# Altium PCB PIXRACER-R12.PcbDoc (part 1 of 2)
Units mm, origin at the board's own origin, x right, y up, seen from the top; angles counter-clockwise.
Board outline 36 x 36 mm, 4 copper layers (TOP, 2, 3, BOT), stack 1.492 mm thick; 137 components, 127 nets, 565 pads, 429 vias.
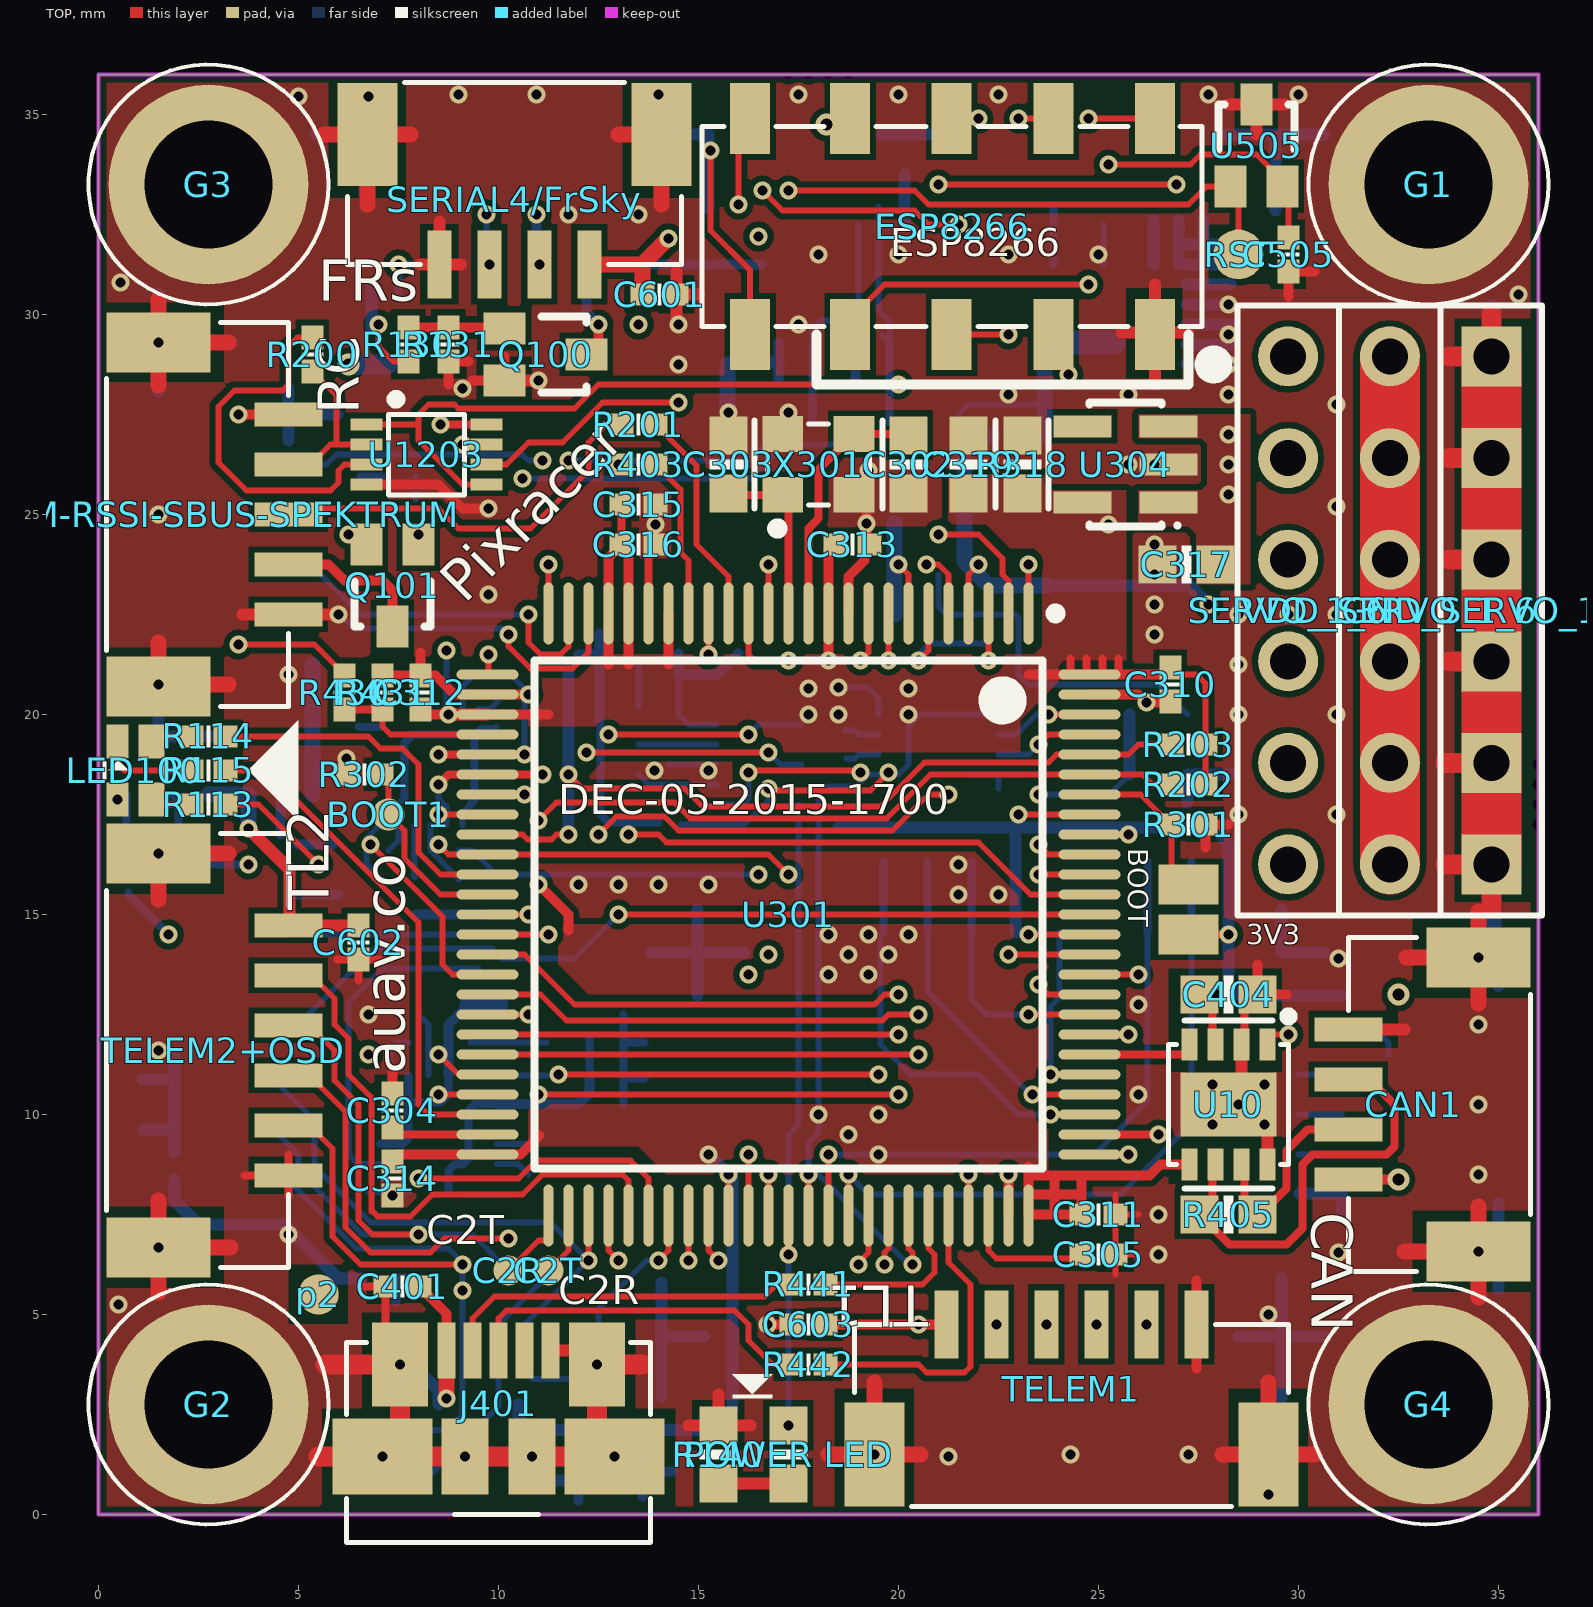
[diagram p0: TOP view]
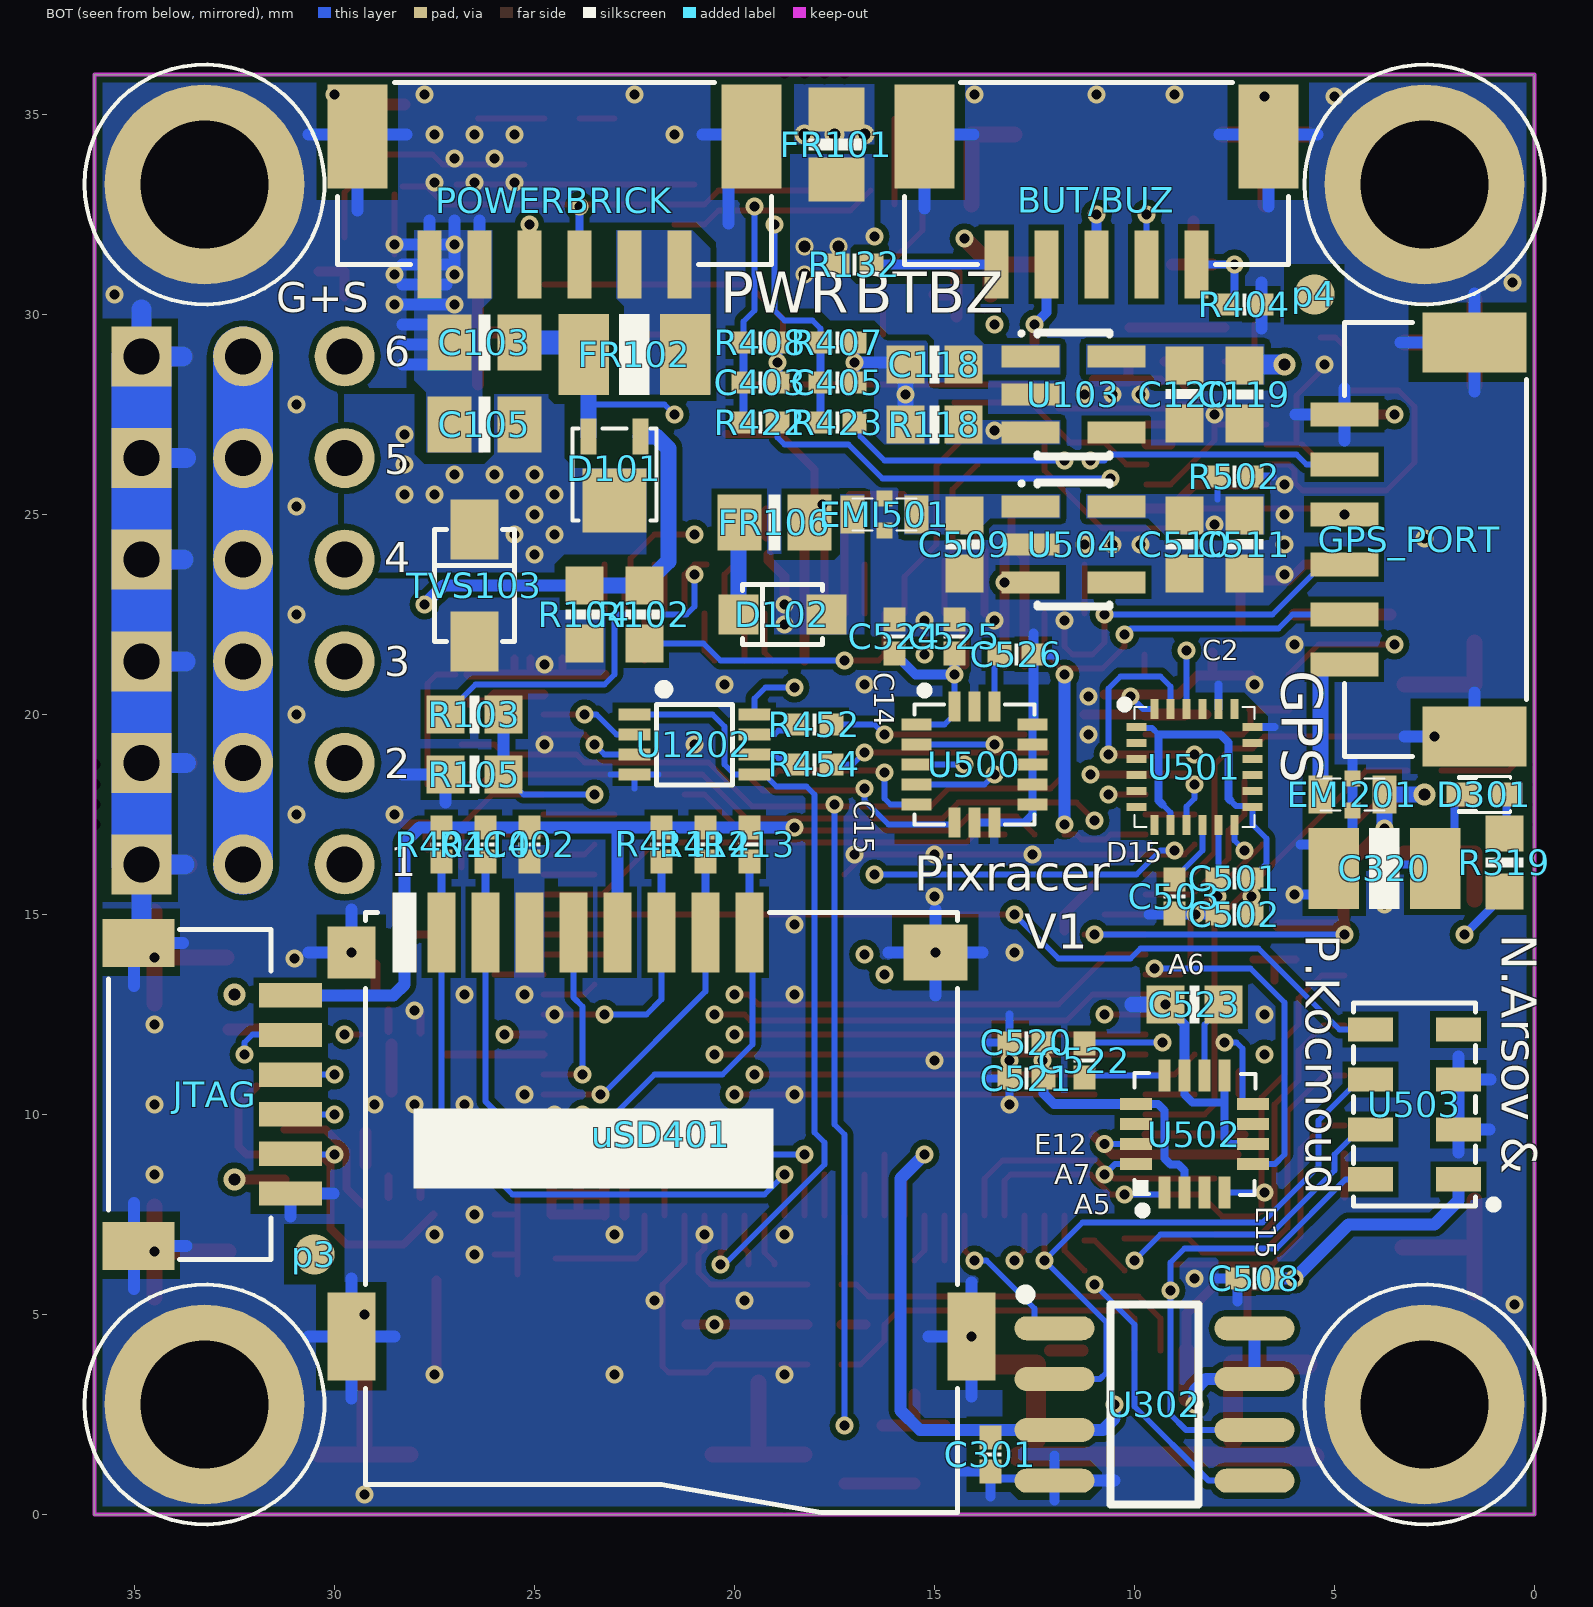
[diagram p1: BOT view, seen from below]
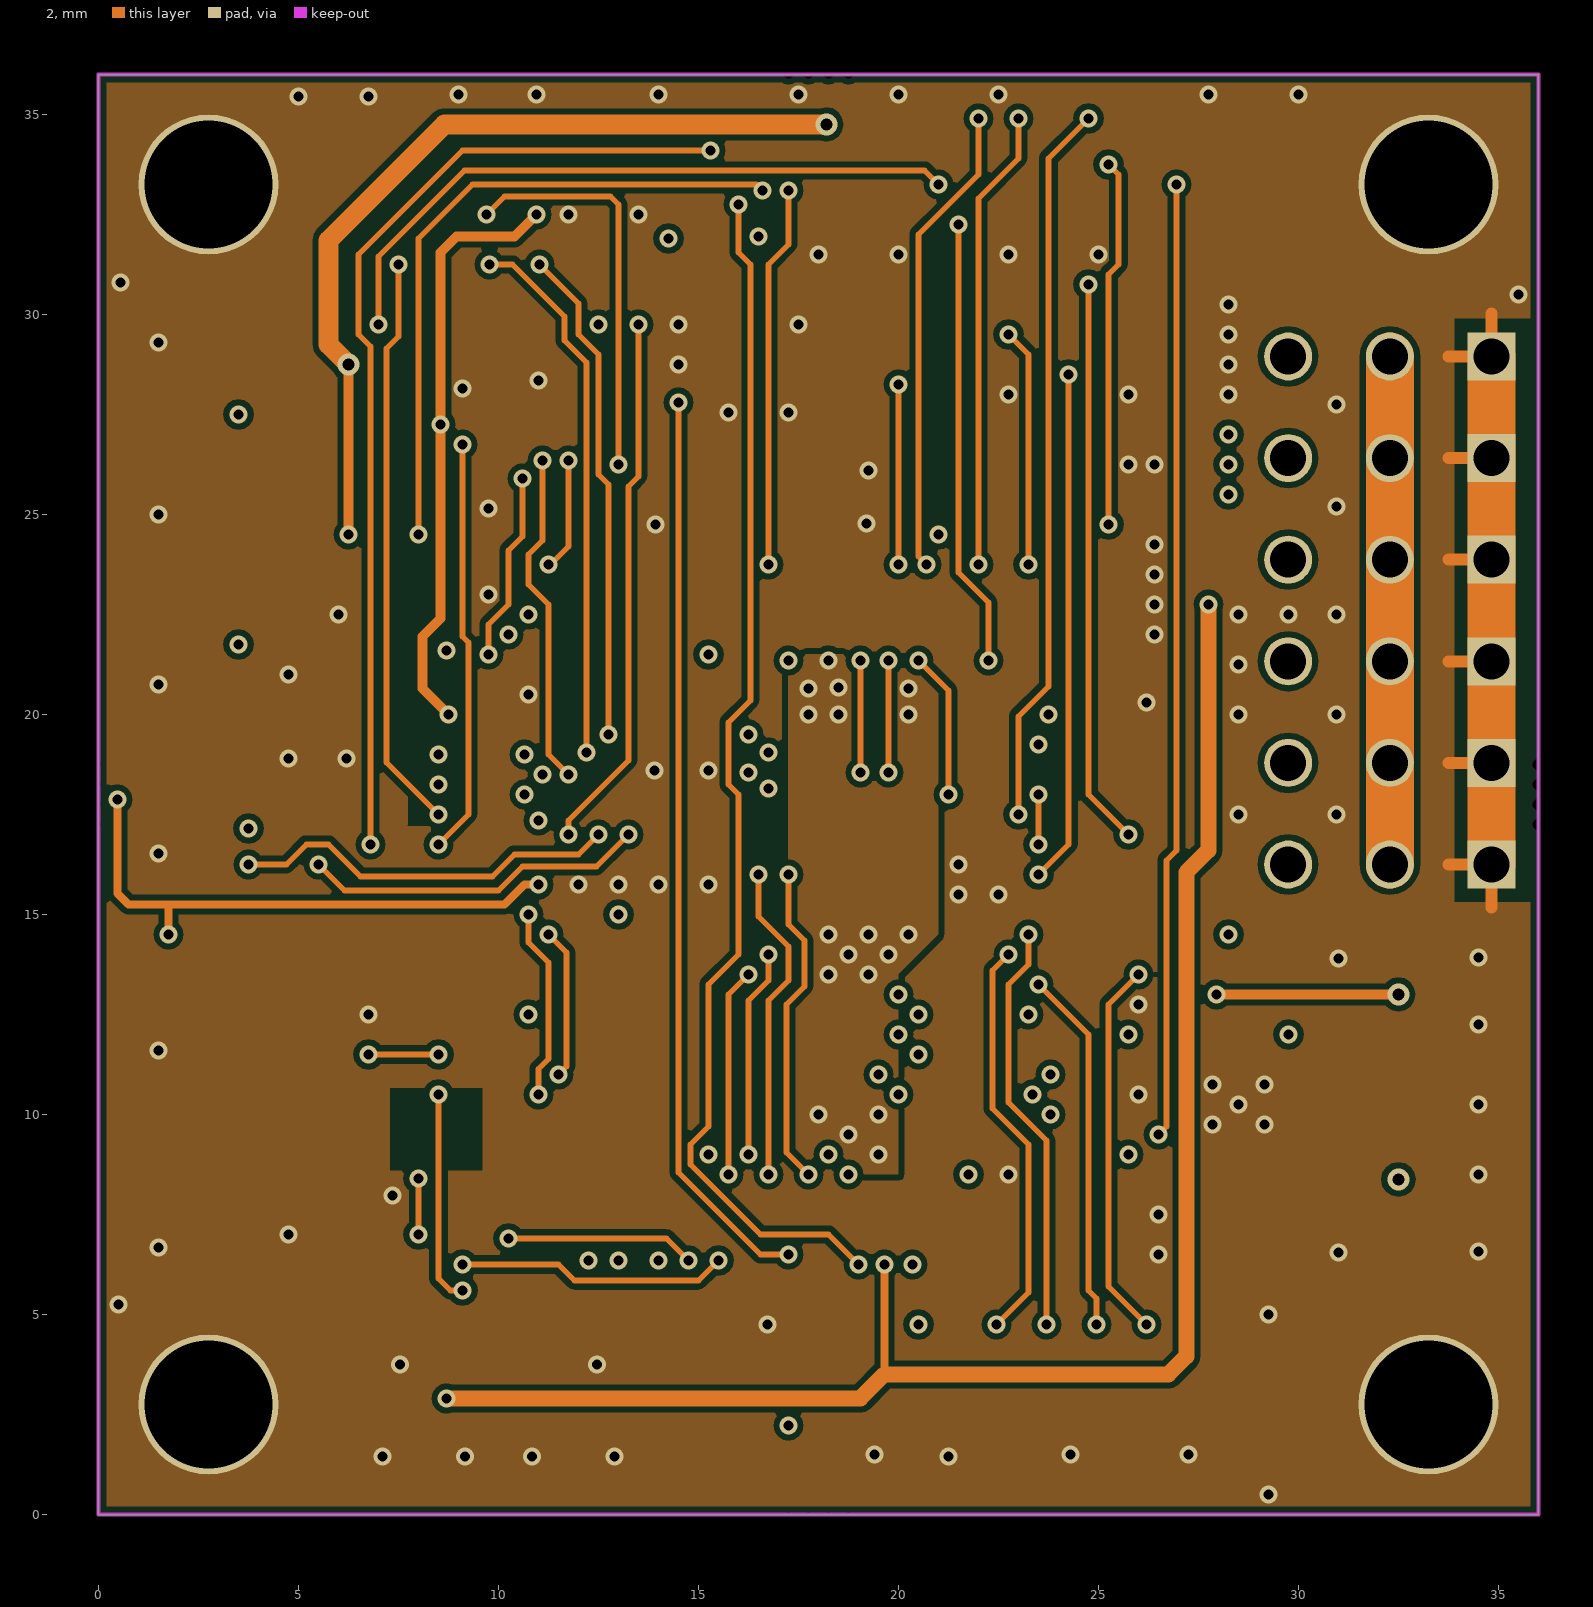
[diagram p2: 2]
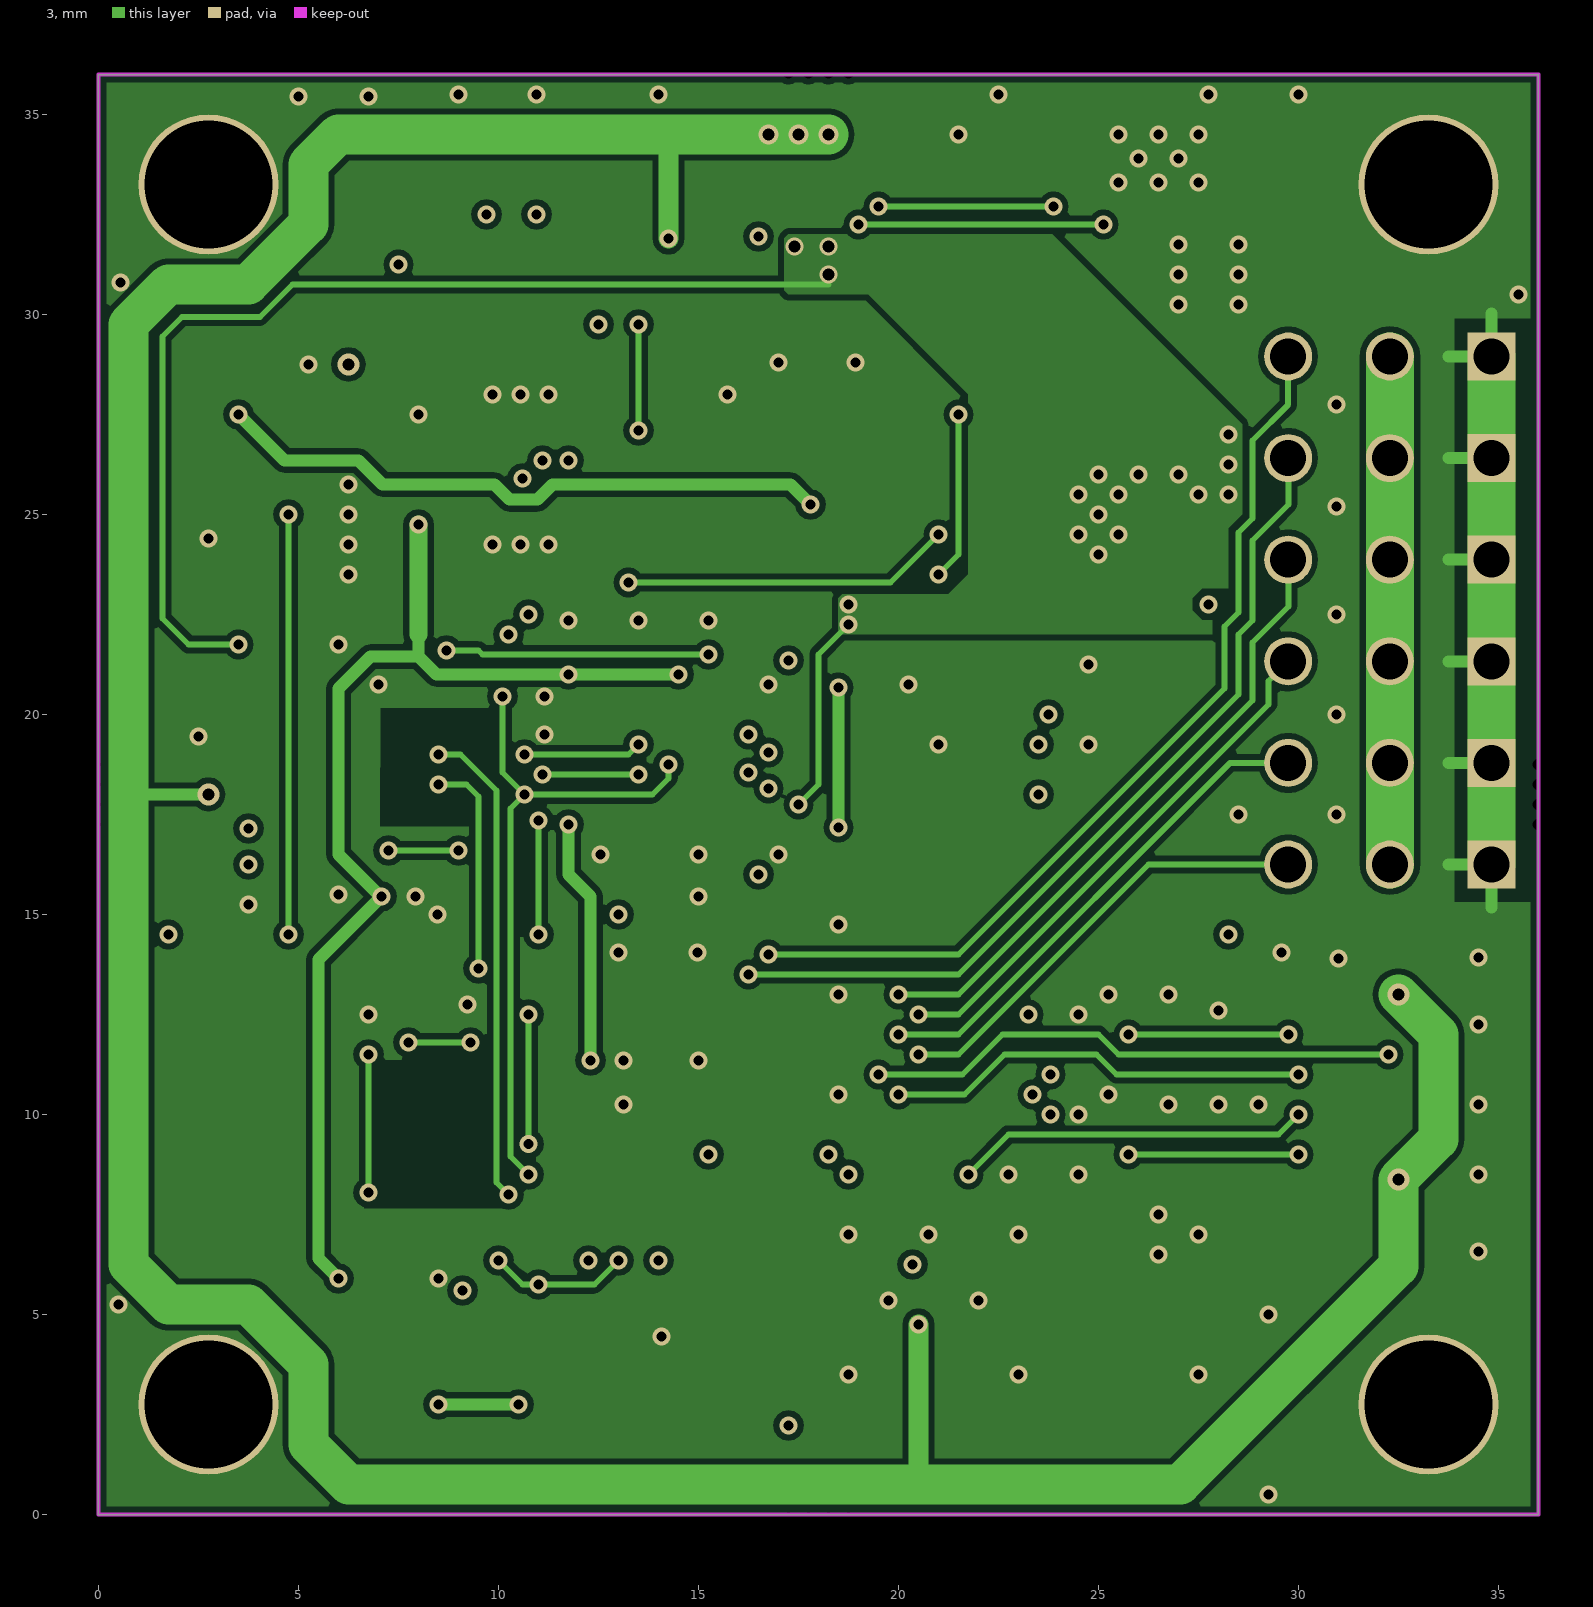
[diagram p3: 3]

## Layer stack, top to bottom
TOP: signal copper 0.0356
Dielectric: core 0.45, FR-4, Dk 4.8
2: signal copper 0.0356
Dielectric: prepreg 0.45, FR-4, Dk 4.8
3: signal copper 0.0356
Dielectric: core 0.45, FR-4, Dk 4.8
BOT: signal copper 0.0356

## Board outline
0,-0.003 36,-0.003 36,36 35.997,35.997 0,35.997 0,-0.003

## Design rules (kind name [scope] priority, off if disabled: settings)
Clearance [All] p1: gap=0.15
PolygonConnect [All] p1: connectstyle=Direct reliefconductorwidth=0.3 reliefentries=4 polygonreliefangle="90 Angle"
RoutingVias [All] p1: holewidth=0.25 width=0.45 viastyle="Through Hole" minholewidth=0.25 minwidth=0.45 maxholewidth=0.25 maxwidth=0.45
SilkscreenOverComponentPads SilkToSolderMaskClearance [IsPad] p1: minsilkscreentomaskgap=0.254
SolderMaskExpansion [All] p1: expansion=0.05
TestPointUsage [All] p1: valid=0 allowmultiple=FALSE
Testpoint [All] p1: side=3 testpointundercomponent=TRUE minsize=1.016 maxsize=2.54 preferedsize=1.524 minholesize=0 maxholesize=1.016 preferedholesize=0.813 testpointgrid=0.025 style=297 order=0123456789
Width [All] p1: maxlimit=0.15 minlimit=0.15 preferedwidth=0.15
23 further rules are at their usual default settings.

## Classes and differential pairs
component class PIXRACER-POWER-R09: BAT2- BAT3- BAT4- BAT5- BAT6- C103 C105 C118 C119 C120 D101 D102 FR101 FR102 FR106 G1 G2 G3 G4 LED100 p2 p3 p4 PDB+1 PDB+2 PDB+3 PDB+4 PDB+5 PDB+6 PGND1 PGND2 PGND3 PGND4 "POWER LED" Q100 Q101 R102 R103 R104 R105 R113 R114 R115 R118 R130 R131 R132 R140 TVS103 U103
component class PIXRACER-FMU-R09: 3.3 3V3 BOOT BOOT1 C2R C2T C301 C302 C303 C304 C305 C310 C311 C312 C313 C314 C315 C316 C317 C319 C320 C505 D301 JTAG R301 R302 R318 R319 RST U301 U302 U304 U505 X301
component class PIXRACER-IMU-R09: C501 C502 C503 C508 C509 C510 C511 C520 C521 C522 C523 C524 C525 C526 EMI501 R502 U500 U501 U502 U503 U504
component class PIXRACER-SD-USB-R09: C401 C402 C403 C404 C405 CAN1 J401 POWERBRICK R401 R405 R407 R408 R410 R411 R412 R413 R422 R423 R430 R431 R441 R442 U10 uSD401
component class PIXRACER-SERIALS-R09: BUT/BUZ C601 C602 C603 EMI201 ESP8266 GND_SERVO_1_6 GPS_PORT PPM-RSSI-SBUS-SPEKTRUM R200 R201 R202 R203 R403 R404 R452 R454 SERIAL4/FrSky SERVO_1_6 TELEM1 TELEM2+OSD U1202 U1203 VDD_SERVO_1_6

## Components (designator, comment, footprint, x,y, rotation, side; value= is the part's Value field where it differs from the comment)
3V3 "3V3" PAD1#1 27.25,14.5 r180 top
BOOT "BOOT" PAD1#1 27.25,15.75 r0 top (schematic designator B0)
BOOT1 "BOOT1" PAD1#2 7.25,17.5 r90 top
BUT/BUZ "GH" Molex_Clik_1.25_5H#1 10.95,31.25 r180 bottom locked
C2R "CAN2_RX" PAD1#3 10.25,6.1 r90 top
C2T "CAN2_TX" PAD1#3 11.25,6.1 r90 top
C103 "100uF 10V" 0805A 26.25,29.3 r0 bottom
C105 "100uF 10V" 0805A 26.25,27.25 r0 bottom
C118 "10uF 10V" 0603A#1 15,28.75 r180 bottom
C119 "10uF 6.3V" 0603A#1 7.25,28.003 r90 bottom
C120 "100n" 0603A#1 8.75,28.003 r90 bottom
C301 "100n" 0402A 13.6,1.5 r270 bottom
C302 "8p" 0603A#1 20.25,26.25 r90 top
C303 "8p" 0603A#1 15.75,26.25 r270 top
C304 "2u2" 0402A 7.35,10.1 r270 top
C305 "2u2" 0402A 25,6.5 r180 top
C310 "100n" 0402A 26.8,20.75 r270 top
C311 "100n" 0402A 25,7.5 r0 top
C312 "100n" 0402A 8.05,20.55 r90 top
C313 "100n" 0402A 18.85,24.25 r0 top
C314 "100n" 0402A 7.35,8.4 r270 top
C315 "2u2" 0402A 13.5,25.25 r0 top
C316 "2u2" 0402A 13.5,24.25 r0 top
C317 "2u2" 0603A#1 27.2,23.75 r0 top
C319 "10u" 0603A#1 21.75,26.25 r270 top
C320 "220uF 4V" 1206A 3.75,16.15 r180 bottom
C401 "100n" 0402A 7.6,5.7 r180 top
C402 "100n" 0402A 25.127,16.75 r90 bottom locked
C403 "100n" 0402A 19.35,28.3 r0 bottom
C404 "2u2" 0603A#1 28.25,13 r180 top
C405 "100n" 0402A 17.425,28.3 r0 bottom
C501 "2u2" 0402A 7.5,15.9 r0 bottom
C502 "100n" 0402A 7.5,15 r0 bottom
C503 "100n" 0402A 9,15.45 r270 bottom
C505 "100n" 0402A 29.75,31.5 r270 top
C508 "100n" 0402A 7,5.9 r0 bottom
C509 "2u2" 0603A#1 14.25,24.25 r90 bottom
C510 "100n" 0603A#1 8.75,24.253 r90 bottom
C511 "10u" 0603A#1 7.25,24.253 r90 bottom
C520 "2u2" 0402A 12.7,11.8 r0 bottom
C521 "100n" 0402A 12.7,10.9 r0 bottom
C522 "220n" 0402A 11.25,11.35 r270 bottom
C523 "4u7" 0603A#1 8.5,12.75 r180 bottom
C524 "2u2" 0402A 16,21.95 r90 bottom
C525 "100n" 0402A 14.5,21.95 r90 bottom
C526 "0u47" 0402A 12.95,21.5 r180 bottom
C601 "2u2" 0402A 14.025,30.5 r180 top
C602 "2u2" 0402A 6.5,14.3 r90 top
C603 "2u2" 0402A 17.75,4.75 r0 top
CAN1 "GH" Molex_1.25_click_4#1 31.25,10.25 r270 top locked
D101 "PMEG2020CP" pmeg2020cp 23,25.75 r180 bottom
D102 "PMEG1030" SOD323F 18.8,22.5 r0 bottom
D301 "BAS70-02V" SOD-523 1.25,18 r180 bottom
EMI201 "EMI_KNH16" EMI_KNH16_0603 4.55,18 r0 bottom
EMI501 "EMI_KNH16" EMI_KNH16_0603 16.25,25 r180 bottom
ESP8266 "2x5 0.1\"" 2.54MM_10PIN_SMD 21.35,32.2 r180 top locked
FR101 "1A RST FUSE" 0805A 17.45,34.25 r270 bottom
FR102 "2A RST FUSE" 1206A 22.5,29 r0 bottom
FR106 "0.3A RST FUSE" 0805A 19,24.8 r0 bottom
G1 "GND" SMT_PAD_ROUND#1 33.923,33.947 r0 top locked
G2 "GND" SMT_PAD_ROUND#2 3.573,3.497 r0 top locked
G3 "GND" SMT_PAD_ROUND#3 2.423,33.947 r0 top locked
G4 "GND" SMT_PAD_ROUND#4 33.728,1.902 r0 top locked
GND_SERVO_1_6 "Header 6" HDR1X6#1 34.823,16.25 r90 top locked
GPS_PORT "GH" Molex_Clok_1.25_6H#1 4.75,24.375 r270 bottom locked
J401 "miniUSB" USBmicro_B 10,0 r0 top locked
JTAG "JST SM06B" SM06B-SRSH-TB 33.05,10.5 r90 bottom locked
LED100 "LTST-C19HE1WT" LTST-C19HE1WT 0.9,18.6 r0 top
p2 "" SMT_PAD 5.5,5.5 r270 top
p3 "" SMT_PAD 30.5,6.5 r90 bottom
p4 "" SMT_PAD 5.5,30.5 r90 bottom
"POWER LED" "GREEN" 0603A#1 17.25,1.5 r270 top
POWERBRICK "JST GH" Molex_Clok_1.25_6H#2 24.5,31.25 r180 bottom locked
PPM-RSSI-SBUS-SPEKTRUM "GH" Molex_Clik_1.25_5H#2 4.75,25 r90 top locked
Q100 "DMG1012UW" 2N7002-SOT323 10.15,29.65 r270 top
Q101 "BSS223PW" 2N7002-SOT323 8,24.25 r180 top
R102 "10K" 0603A#1 22.25,22.5 r90 bottom
R103 "220R" 0603A#1 26.5,20 r180 bottom
R104 "470R" 0603A#1 23.75,22.5 r90 bottom
R105 "220R" 0603A#1 26.5,18.5 r0 bottom
R113 "100R" 0402A 2.75,17.75 r0 top
R114 "100R" 0402A 2.75,19.45 r0 top
R115 "100R" 0402A 2.75,18.6 r0 top
R118 "10k" 0603A#1 15,27.25 r180 bottom
R130 "10k" 0402A 7.75,29.25 r90 top
R131 "10k" 0402A 8.75,29.25 r90 top
R132 "0R0" 0402A 17,31.25 r180 bottom
R140 "220R" 0603A#1 15.5,1.5 r270 top
R200 "470R" 0402A 5.35,29 r90 top
R201 "10K" 0402A 13.5,27.25 r180 top
R202 "2k2" 0402A 27.25,18.25 r0 top locked
R203 "2k2" 0402A 27.25,19.25 r0 top locked
R301 "10k" 0402A 27.25,17.25 r180 top
R302 "10k" 0402A 6.65,18.5 r180 top
R318 "220R" 0603A#1 23.1,26.25 r270 top
R319 "1k" 0603A#2 0.75,16.3 r90 bottom
R401 "100k" 0402A 27.327,16.75 r270 bottom locked
R403 "68R" 0402A 13.5,26.25 r180 top
R404 "1K5" 0402A 7.25,30.25 r0 bottom
R405 "120R" 0603A#1 28.25,7.5 r180 top
R407 "1M" 0402A 17.425,29.3 r0 bottom
R408 "1M" 0402A 19.35,29.3 r0 bottom
R410 "100k" 0402A 26.227,16.75 r270 bottom locked
R411 "100k" 0402A 21.827,16.75 r270 bottom locked
R412 "100k" 0402A 20.727,16.75 r270 bottom locked
R413 "100k" 0402A 19.627,16.75 r270 bottom locked
R422 "10k" 0402A 19.35,27.3 r180 bottom
R423 "10k" 0402A 17.425,27.3 r180 bottom
R430 "10k" 0402A 6.15,20.55 r270 top
R431 "10k" 0402A 7.1,20.55 r270 top
R441 "22R" 0402A 17.75,5.75 r180 top
R442 "22R" 0402A 17.75,3.75 r180 top
R452 "1k" 0402A 18,19.75 r180 bottom
R454 "1k" 0402A 18,18.75 r180 bottom
R502 "220R" 0402A 7.5,25.95 r180 bottom
RST "BOOT" PAD1#4 28.5,31.5 r90 top
SERIAL4/FrSky "GH" Molex_1.25_click_4#2 10.4,31.25 r0 top locked
SERVO_1_6 "Header 6" HDR1X6#2 29.743,16.25 r90 top locked
TELEM1 "GH" Molex_Clok_1.25_6H#1 24.325,4.75 r180 top
TELEM2+OSD "GH" Molex_Clok_1.25_6H#1 4.75,11.6 r90 top locked
TVS103 "5.6V" SOD123F 26.5,23.225 r90 bottom
U10 "TJA1051T" 8DFN_3x3 28.25,10.25 r180 top
U103 "AP7365-33WG-7" SOT23-5 11.525,28.003 r270 bottom
U301 "STM32F427VIT6" LQFP100_L 17.25,15 r270 top locked
U302 "FM25V02-G" SO-8_N 9.5,2.75 r180 bottom locked
U304 "LP5907-Q1" SOT23-5 25.675,26.25 r90 top locked
U500 "ICM-20608-G" HCLGA-16L 14.002,18.75 r180 bottom
U501 "MPU9250/6500" MPU6500-9250 8.5,18.691 r180 bottom
U502 "HMC5983" HMC5883L 8.5,9.509 r90 bottom
U503 "MS5611" MS5611 3,10.25 r0 bottom
U504 "LP5907-Q1" SOT23-5 11.523,24.25 r270 bottom
U505 "MCP131" SOT-323 28.95,34.225 r0 top
U1202 "74LVC2G86" DCU(SM-8) 21,19.25 r270 bottom
U1203 "74LVC2G86" DCU(SM-8) 8.2,26.5 r270 top
uSD401 "MicroSD" MicroSD_China_01 21.827,4.05 r180 bottom locked
VDD_SERVO_1_6 "Header 6" HDR1X6#2 32.283,16.25 r90 top locked
X301 "24MHz" Crystal_2.5x2 18,26.25 r0 top
